# Altium PCB DK2.PcbDoc (part 5 of 5)
Units mm, origin at the board's own origin, x right, y up, seen from the top; angles counter-clockwise.
Board outline 129.5 x 68 mm, 4 copper layers (Top Layer, MidLayer1, Power, Bottom Layer), stack 0.98 mm thick; 275 components, 227 nets, 1103 pads, 1072 vias.
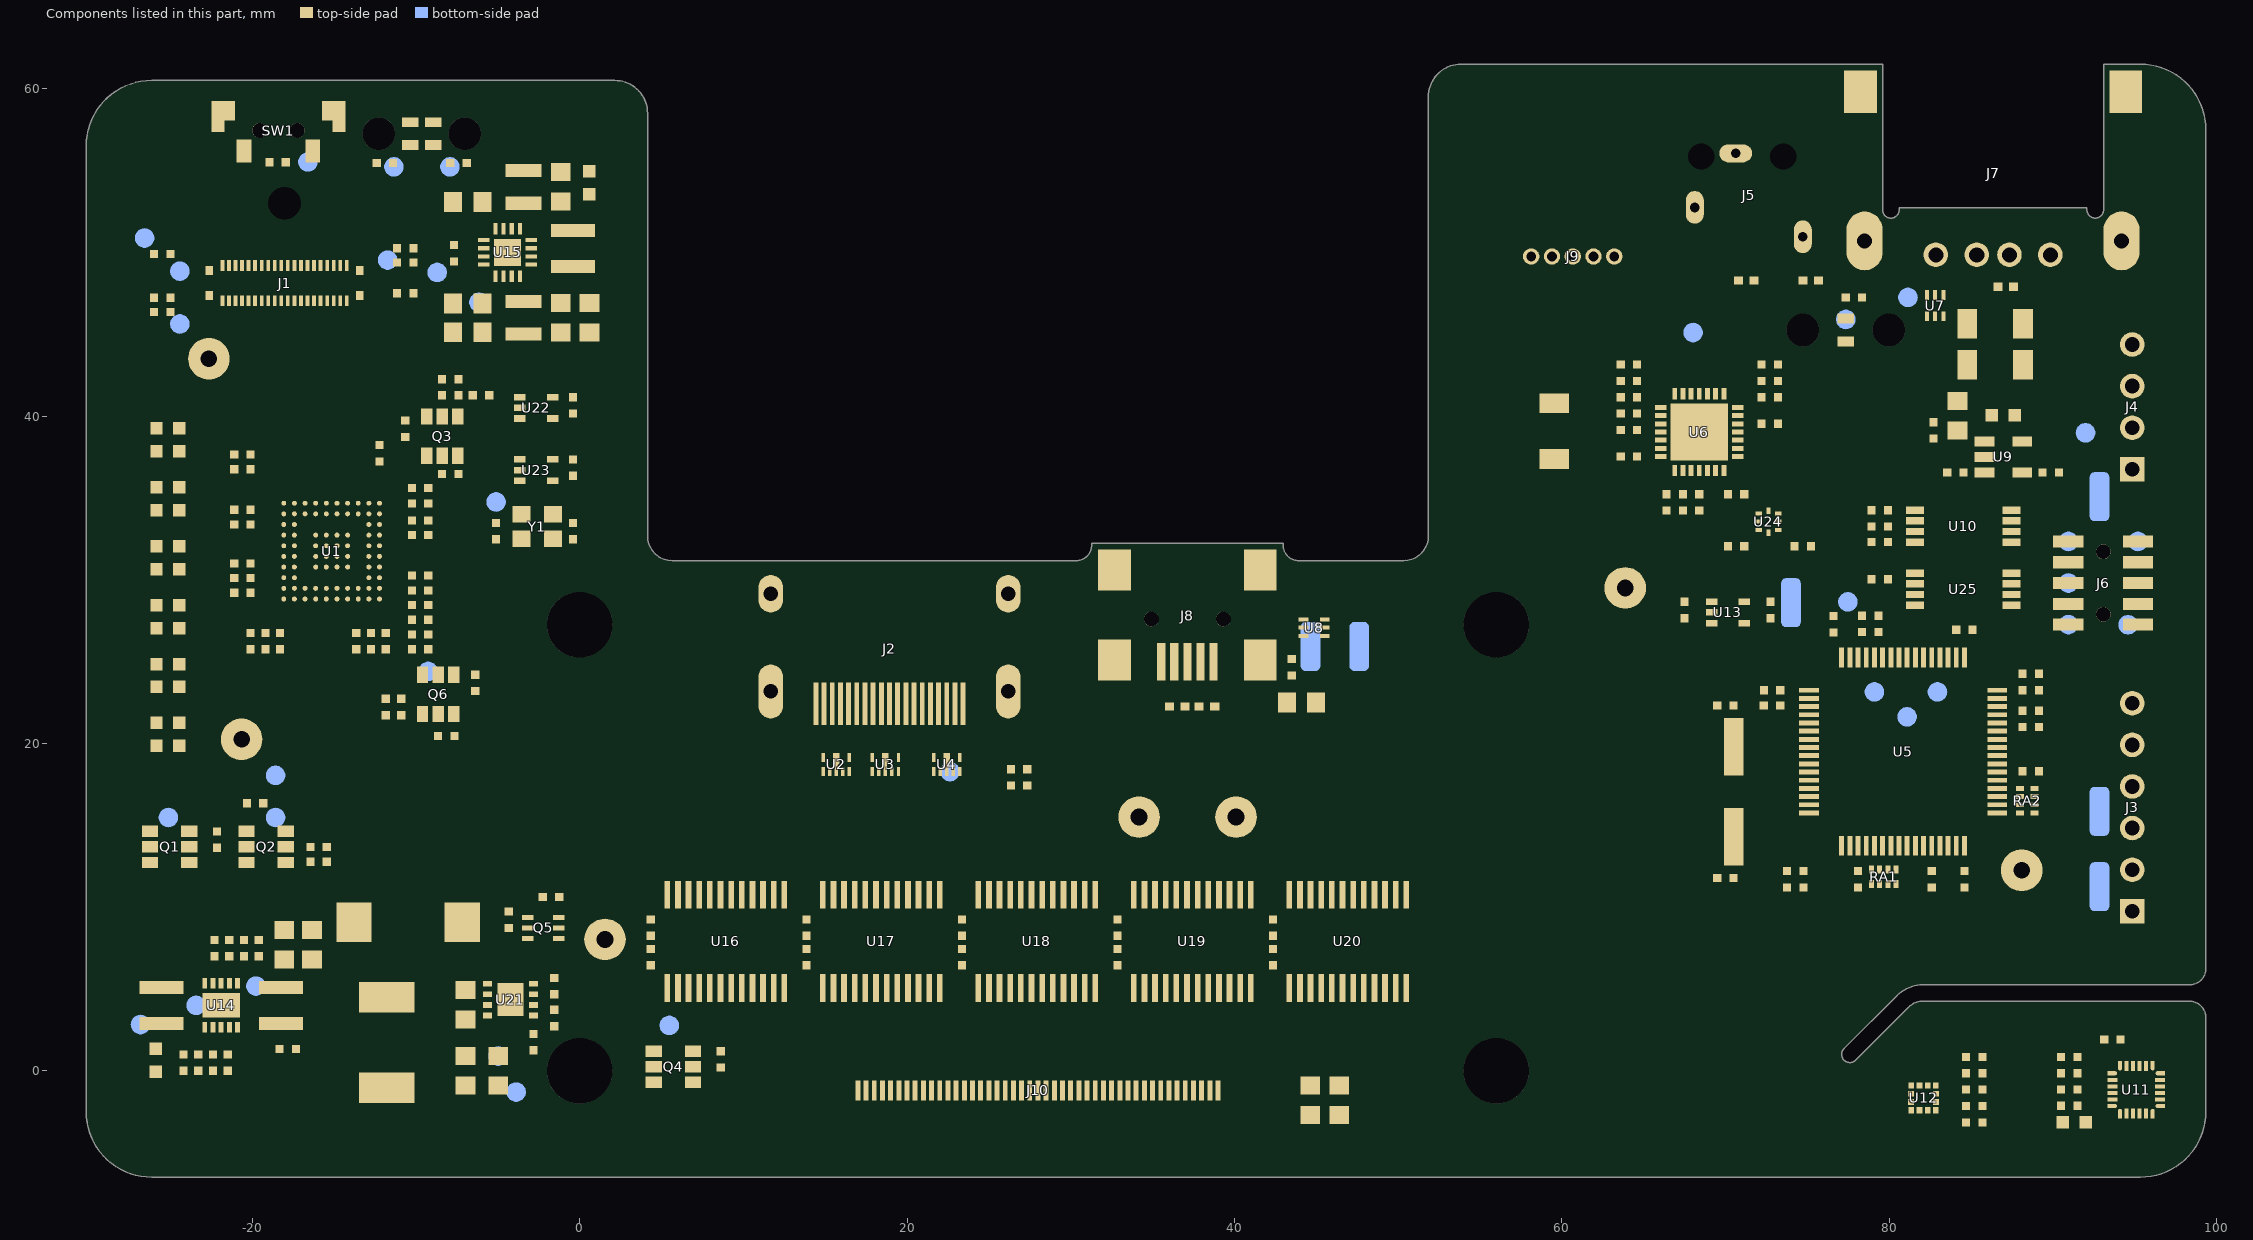
[diagram p7: the components of this part, seen from the top]

## Other copper (continued)
Power (plane layer: these items are gaps in the copper):
  circle w0.4: c58.725,32.2 r0.2
  circle w0.4: c58.35,31.7 r0.2
  circle w0.5: c-14.575,48.55 r0.2
  circle w0.5: c-15.075,48.175 r0.2
  circle w0.5: c-15.775,48.55 r0.2
  circle w0.5: c-16.275,48.175 r0.2
  circle w0.5: c-16.975,48.55 r0.2
  circle w0.5: c-17.475,48.175 r0.2
  circle w0.5: c-18.175,48.55 r0.2
  circle w0.5: c-18.675,48.15 r0.2
  circle w0.5: c-19.375,48.55 r0.2
  circle w0.5: c-19.875,48.175 r0.2
  circle w0.4: c-19.175,44.25 r0.2
  circle w0.4: c-18.675,43.875 r0.2
  circle w0.4: c-15.775,42.875 r0.2
  circle w0.4: c-16.275,42.5 r0.2
  circle w0.4: c-16.975,39.975 r0.2
  circle w0.4: c-17.475,40.35 r0.2
  circle w0.4: c-19.375,41.625 r0.2
  circle w0.4: c-19.875,41.25 r0.2
  rectangle: 58.35,-4.225 71.225,-2.5
  rectangle: 14.225,21.075 20.125,23.775
  rectangle: 80.4,-3.242 83.8,0
  lines w0.25: -30.15,0.775 -23.25,0.775 -23.25,3.5 -26.5,3.5 -27.05,4.05 -27.05,17.375 -25.725,18.7 -25.15,18.7 ; -30.15,40.725 -22.125,40.725 -20.15,38.75 -20.15,36.75 -19.075,35.675 -17.3,35.675 -15.725,37.25 -13.5,37.25 ; -30.15,53 -13.525,53 -13.5,52.975 -13.5,34.025 -14.4,33.125 -25.15,33.125 ; -27.05,10.25 -21.775,10.25 -20.325,8.8 -20.325,3.025 -19.45,2.15 -17.325,2.15 -4.175,15.3 28.55,15.3 30.3,17.05 62.575,17.05 66.15,13.475 72.85,13.475 ; -27.05,14.775 -22.1,14.775 ; -25.15,40.725 -25.15,33.125 ; -14.65,-6.5 -14.65,0.2 -13.85,1 -8.725,1 -6.7,-1.025 -3.7,-1.025 -2.75,-1.975 0.75,-1.975 36.375,-1.975 38.3,-0.05 48.85,-0.05 48.85,-6.5 ; -13.5,39.25 -11.4,39.25 -11.4,33.8 -12.225,32.975 -12.225,29.45 -11.675,28.9 -8.15,28.9 -8.15,27 -11.425,27 -13.975,29.55 -25.15,29.55 ; -13.337,28.913 -13.775,28.475 -13.775,28.05 -13.225,27.5 -13.225,24.5 -19.65,24.5 -19.65,27.05 -19.05,27.65 -19.05,28.1 -19.3,28.35 -19.85,28.35 -22.25,25.95 -25.15,25.95 ; -11.4,27 -11.4,23.525 -12.575,22.35 -25.15,22.35 ; -11.4,36.25 -6.725,36.25 ; 3,-1.95 3,10.8 3.775,11.575 49.825,11.575 51.6,9.8 51.6,2.675 48.85,-0.075 ; 5.7,31.2 5.7,26.075 2.85,23.225 -1.5,23.225 -10.6,14.125 -22.1,14.125 -22.1,16.5 -13.3,16.5 -4.85,24.95 -4.85,32.675 -4.85,36.85 -4.425,37.275 -0.075,37.275 0.525,37.875 0.525,42.225 0.1,42.65 -0.925,42.65 -1.35,42.225 -1.35,39.2 -1.65,38.9 -5.375,38.9 -6.725,37.55 -6.725,25.775 -13.8,18.7 -25.15,18.7 ; 47.4,31.17 47.4,24.3 47,23.9 43.9,23.9 43.9,20.5 60.525,20.5 61.25,21.225 61.25,25.925 60.35,26.825 56.425,26.825 55.35,27.9 55.35,36.275 57.475,38.4 63.65,38.4 63.975,38.725 63.975,39.4 63.7,39.675 62.7,39.675 62.225,40.15 62.225,43.25 62.925,43.95 70.85,43.95 72.425,42.375 72.425,41.3 73.625,40.1 83.3,40.1 85.175,38.225 88.45,38.225 89.125,38.9 89.125,40.3 87.325,42.1 75.875,42.1 66.855,51.12 51.85,51.12 ; 72.85,-6.5 72.85,13.475 ; 75.025,40.1 75.021,40.096 75.021,38.004 75.925,37.1 79.425,37.1 85.6,30.925 85.6,19.95 ; 99.35,38 90.125,38 88.975,36.85 88.975,23.225 89.675,22.525 90.675,22.525 91.125,22.075 91.125,20.475 90.6,19.95 83.95,19.95 82.1,21.8 82.1,33.025 80.575,34.55 73.925,34.55 72.925,33.55 72.925,31.075 70.75,28.9 70.75,22.725 72.225,21.25 73.6,21.25 76.375,21.25 76.625,21 76.625,18.375 75.375,17.125 75.375,16 72.85,13.475 ; -25.15,18.7 -25.15,22.35 ; -25.15,22.35 -25.15,25.95 ; -25.15,25.95 -25.15,29.55 ; -25.15,29.55 -25.15,33.125 ; 57.1,31 57.85,30.25 62.725,30.25 68.675,36.2 72.7,36.2 73.375,36.875 73.375,37.925 72.575,38.725 67.225,38.725 62,33.5 57.85,33.5 57.1,32.75 57.1,31

## Silkscreen, mask and mechanical layers (free items; w line width, h text height)
Top Overlay:
  drawing of 44 lines, arcs and shapes, not listed
  text "REV 3.3" at 54.75,57.875 h1.8
  text "2014" at 60.825,57.875 h1.8
  text "USB" at 59.18,47.81 h1.4
  text "GND" at 93.05,43.55 h0.64 r90
  text "G1" at 93.05,41.325 h0.64 r90
  text "GND" at -24.15,40.85 h1.5
  text "G0" at 93.05,38.8 h0.64 r90
  text "3V" at 93.05,34.75 h0.64 r90
  text "GPIO" at 93.35,34.075 h1.4
  text "GND" at 62.375,26.85 h1.5
  text "SWD" at 93.45,25.4 h1.4
  text "GND" at 93.05,21.475 h0.64 r90
  text "GND" at -22.15,17.6 h1.5
  text "3V" at 93.05,16.85 h0.64 r90
  text "RX" at 93.05,14.35 h0.64 r90
  text "GND" at 32.675,12.85 h1.5
  text "+5V" at 38.6,12.85 h1.5
  text "TX" at 93.05,11.725 h0.64 r90
  text "GND" at 86.6,9.6 h1.5
  text "l" at 59.2,7.9 h4.5
  text "s" at 61.925,7.9 h4.5
  text "O" at 52.975,7.875 h4.5
  text "c" at 55.625,7.875 h4.5
  text "u" at 57.25,7.875 h4.5
  text "u" at 60.05,7.875 h4.5
  text "V" at 64.225,7.875 h4.5
  text "R" at 66.85,7.875 h4.5
  text "UART" at 93.35,7.05 h1.4
  text "DEVELOPMENT KIT 2" at 53.425,5.425 h2
  text "GND" at 0.05,5.375 h1.5
Bottom Overlay:
  circle w1: c60.85,14.25 r0.351
  circle w0.2: c60.85,14.25 r2.15
  region: 60.85,17.251 61.375,17.225 61.825,17.175 62.3,17.1 62.7,17 63.225,16.85 63.725,16.625 64.175,16.375 64.5,16.175 64.825,15.95 65.175,15.675 65.5,15.4 65.8,15.125 66.05,14.85 66.325,14.525 66.525,14.25 62.95,14.25 62.95,14.5 62.9,14.725 62.8,15.025 62.675,15.275 62.55,15.475 62.3,15.75 62.025,15.975 61.725,16.125 61.375,16.25 61.1,16.3 60.85,16.328
  region: 60.85,11.249 60.325,11.275 59.875,11.325 59.4,11.4 59,11.5 58.475,11.65 57.975,11.875 57.525,12.125 57.2,12.325 56.875,12.55 56.525,12.825 56.2,13.1 55.9,13.375 55.65,13.65 55.375,13.975 55.175,14.25 58.75,14.25 58.75,14 58.8,13.775 58.9,13.475 59.025,13.225 59.15,13.025 59.4,12.75 59.675,12.525 59.975,12.375 60.325,12.25 60.6,12.2 60.85,12.172
  region: 60.85,11.249 61.375,11.275 61.825,11.325 62.3,11.4 62.7,11.5 63.225,11.65 63.725,11.875 64.175,12.125 64.5,12.325 64.825,12.55 65.175,12.825 65.5,13.1 65.8,13.375 66.05,13.65 66.325,13.975 66.525,14.25 62.95,14.25 62.95,14 62.9,13.775 62.8,13.475 62.675,13.225 62.55,13.025 62.3,12.75 62.025,12.525 61.725,12.375 61.375,12.25 61.1,12.2 60.85,12.172
  region: 60.85,17.251 60.325,17.225 59.875,17.175 59.4,17.1 59,17 58.475,16.85 57.975,16.625 57.525,16.375 57.2,16.175 56.875,15.95 56.525,15.675 56.2,15.4 55.9,15.125 55.65,14.85 55.375,14.525 55.175,14.25 58.75,14.25 58.75,14.5 58.8,14.725 58.9,15.025 59.025,15.275 59.15,15.475 59.4,15.75 59.675,15.975 59.975,16.125 60.325,16.25 60.6,16.3 60.85,16.328
  lines w0.2: 55.128,14.25 ccw(c61.314,18.64) 58.685,11.524 ccw(c60.826,18.503) 60.85,11.203 ccw(c60.874,18.503) 63.015,11.524 ccw(c60.386,18.64) 66.572,14.25 ccw(c60.386,9.86) 63.015,16.976 ccw(c60.874,9.997) 60.85,17.297 ccw(c60.826,9.997) 58.685,16.976 ccw(c61.314,9.86) 55.128,14.25
  text "2014" at 58,57.875 h1.8
  text "REV 3.3" at 64.075,57.875 h1.8
  text "s" at 59.775,7.9 h4.5
  text "l" at 62.5,7.9 h4.5
  text "R" at 54.85,7.875 h4.5
  text "V" at 57.475,7.875 h4.5
  text "u" at 61.65,7.875 h4.5
  text "u" at 64.45,7.875 h4.5
  text "c" at 66.075,7.875 h4.5
  text "O" at 68.725,7.875 h4.5
  text "DEVELOPMENT KIT 2" at 68.337,5.422 h2
Top Solder:
  region: -23.25,59 -22.71,59 -22.71,59.45 -20.86,59.45 -20.86,59 -15.95,59 -15.95,59.45 -14.1,59.45 -14.1,59 -13.45,59 -13.45,60 -23.25,60
  region: 42.575,-5 42.575,-5.1 cw(c42.3,-5.1) 42.3,-5.375 39.9,-5.375 cw(c39.9,-5.1) 39.625,-5.1 39.625,-5 39.025,-5 39.025,-6 43.15,-6 43.15,-5
  region: 13.425,-5 13.425,-5.1 ccw(c13.7,-5.1) 13.7,-5.375 16.1,-5.375 ccw(c16.1,-5.1) 16.375,-5.1 16.375,-5 16.975,-5 16.975,-6 12.85,-6 12.85,-5
  lines w1: -23.257,59.5 -26.15,59.5 ccw(c-26.15,56.5) -29.15,56.5 -29.15,-2.5 ccw(c-26.15,-2.5) -26.15,-5.5 12.85,-5.5 ; -13.472,59.5 2.15,59.5 cw(c2.15,58.5) 3.15,58.5 3.15,32.675 ccw(c5.65,32.675) 5.65,30.175 10.225,30.175 ; 13.135,30.175 24.725,30.175 ; 16.95,-5.5 39.175,-5.5 ; 27.62,30.175 30.585,30.175 ; 43.05,-5.5 95.35,-5.5 ccw(c95.35,-2.5) 98.35,-2.5 98.35,3.25 ; 43.6,30.175 50.35,30.175 ccw(c50.35,32.675) 52.85,32.675 ; 52.85,32.65 52.85,59.5 cw(c53.85,59.5) 53.85,60.5 ; 53.825,60.5 76.125,60.5 ; 96.61,60.222 cw(c95.35,57.5) 98.35,57.5 98.35,6.246
Bottom Solder:
  lines w1: 10.225,30.175 5.65,30.175 cw(c5.65,32.675) 3.15,32.675 3.15,58.5 ccw(c2.15,58.5) 2.15,59.5 -26.15,59.5 ccw(c-26.15,56.5) -29.15,56.5 -29.15,-2.5 ccw(c-26.15,-2.5) -26.15,-5.5 95.35,-5.5 ccw(c95.35,-2.5) 98.35,-2.5 98.35,3.25 ; 13.135,30.175 24.725,30.175 ; 27.6,30.175 50.35,30.175 ccw(c50.35,32.675) 52.85,32.675 ; 52.85,32.65 52.85,59.5 cw(c53.85,59.5) 53.85,60.5 ; 53.825,60.5 78.6,60.5 ; 94.1,60.5 95.335,60.5 ; 95.35,60.5 cw(c95.35,57.5) 98.35,57.5 98.35,6.246
Board Outline:
  the board outline again, w0.1
Mechanical Ref:
  lines w0.01: 86.25,49.85 86.35,49.85 ; 86.35,49.75 86.35,49.85 ; 86.35,49.95 86.35,49.85 ; 86.45,49.85 86.35,49.85
  lines w0.02: -23.4,48.125 -12.65,48.125 ; -18.025,45.825 -18.025,53.475
  lines w0.051: 28,-19.575 28,60.5
  lines w0.1: -24.325,45.825 -11.725,45.825 -11.725,50.425 -24.325,50.425 -24.325,45.825
  lines w0.13: 67.2,62.85 97.57,62.85 ; 70.625,52.09 70.625,62.87
  lines w0.15: 3,60.5 102.55,60.5 ; -25.525,53 cw(c-24.525,53) -24.525,54 -11.525,54 cw(c-11.525,53) -10.525,53 cw(c-11.525,53) -11.525,52 -24.525,52 cw(c-24.525,53) -25.525,53